# KiCad board ev18.kicad_pcb (continued)
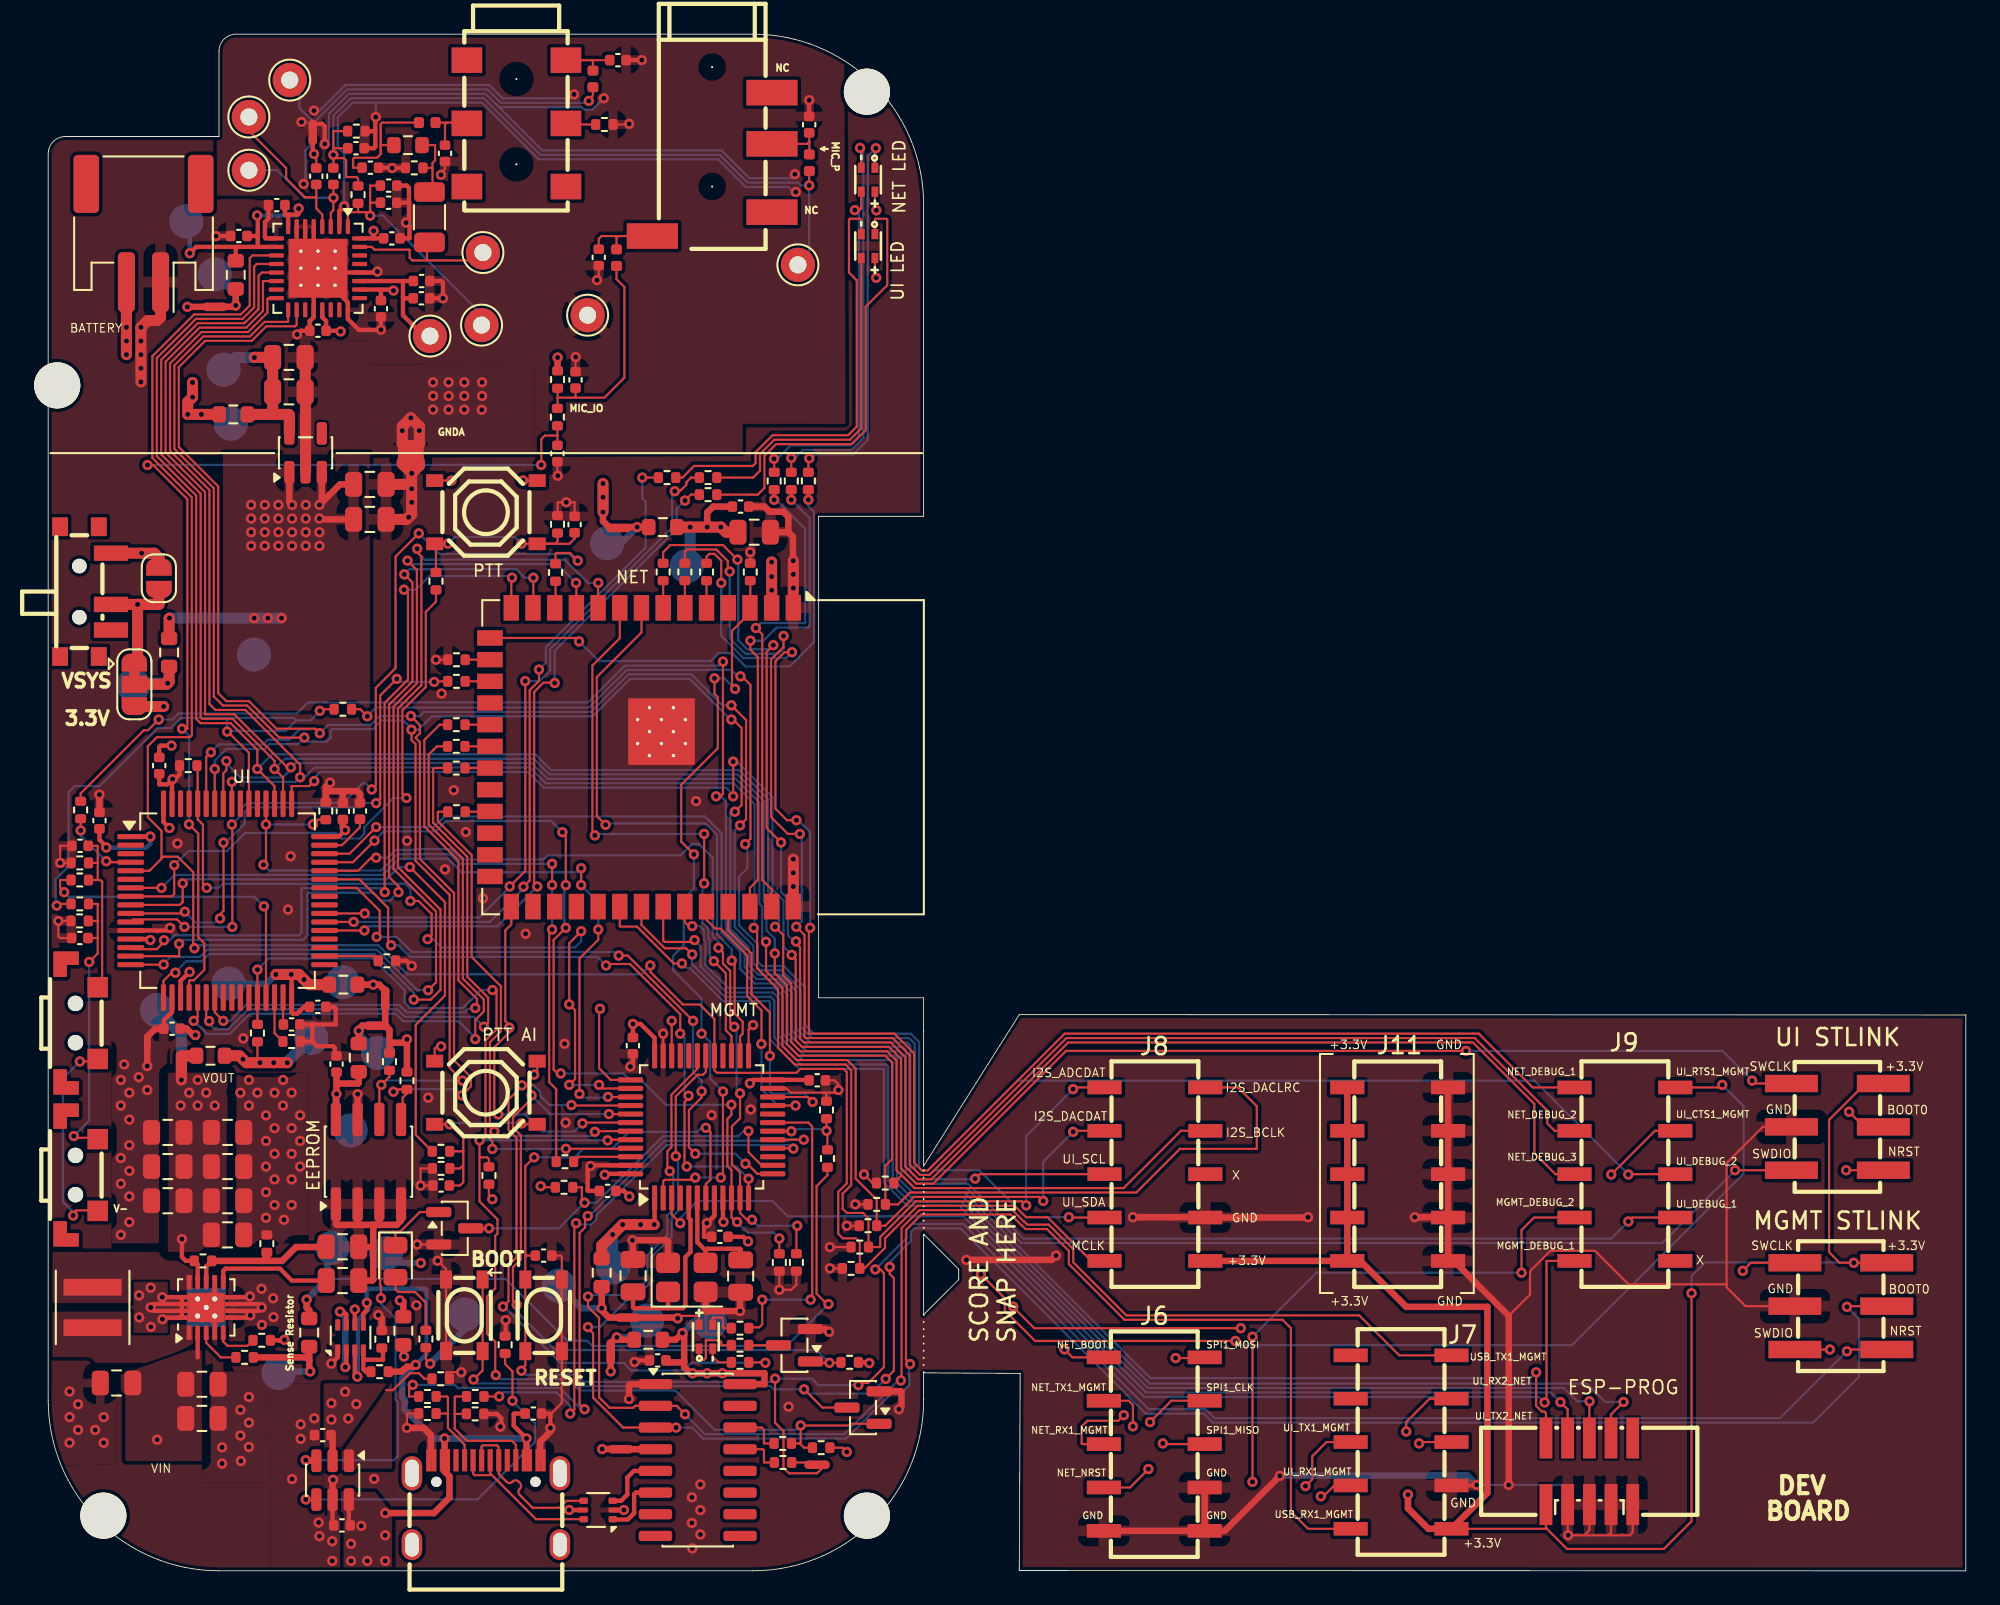
[diagram p0: board, top side]
## Routing (per net, layer and track width the routed paths; a pad name or vN(x,y) marks a point on that pad's centre or on a via; arc(x,y) is an arc through that point) (continued)
Net-(U3-PB9): length 3.5
  Top w0.127: 34.03,24.31 U3.46
  Top w0.13: U3.46 31.05,24.25 R5.1
Net-(U4-V3): length 1.5
  Top w0.381: U4.4 NT2.1
Net-(U5-EN): length 2.4
  Top w0.127: R18.2 10.11,12.5 9.25,13.36 U5.3
Net-(U5-FB): length 9
  Top w0.254: R26.1 9.25,17.83 U5.8
  Top w0.381: 12.6,18.15 R26.1 ; 12.6,18.15 12.8,18.35 R27.2 ; 12.6,18.15 13.69,18.15 14.5,18.96 16.26,18.96 C20.1
Net-(U5-PG): length 2.1
  Top w0.127: 11.74,13.25 11.67,13.18 10.5,13.18 10.25,13.43 U5.5
Net-(U5-VAUX): length 7.3
  Top w0.127: U5.6 U5.6
  Top w0.254: C19.1 14.26,17 13.56,17.71 10.39,17.71 10.25,17.57 U5.6
Net-(U7-IO11): length 1.5
  Top w0.13: R46.2 U7.19
Net-(U7-IO12): length 1.5
  Top w0.13: R44.2 U7.20
Net-(U7-IO13): length 1.5
  Top w0.13: R45.2 U7.21
Net-(U7-IO46): length 1.5
  Top w0.127: U7.16 24.42,53.37 R30.1
Net-(U9-PR1): length 3.5
  Top w0.254: 19.6,13.05 19.6,12.36 18.45,12.36 ; 18.45,12.36 U9.4 ; 18.45,12.36 18.45,11.81 18.6,11.66 R53.1
Net-(U10-PB11): length 2.8
  Top w0.127: R42.2 13.25,31.49 U10.30
Net-(U10-PB13): length 3.3
  Top w0.13: R43.2 19.05,36 U10.34
Net-(U10-PC2): length 31.3
  Top w0.127: v1(8,38.6) 7.9,38.5 U10.10 ; v1(20.41,52.24) 19.43,51.27 19.43,45.2 v1(19.2,44.96) ; R49.2 22.64,52.1 v1(22.6,52.06) ; v1(10.26,42.65) 10.26,38.66 10.06,38.45 v1(10.06,38.21)
  Bottom w0.127: v1(20.41,52.24) 20.59,52.06 v1(22.6,52.06) ; v1(10.06,38.21) 9.82,37.98 8.63,37.98 v1(8,38.6) ; v1(10.26,42.65) 10.44,42.83 10.57,42.83 11.5,43.76 11.5,44.46 11.75,44.71 18.25,44.71 18.5,44.96 v1(19.2,44.96)
Net-(U10-PC3): length 49.9
  Top w0.127: v1(10.76,43.71) 10.78,43.69 v1(10.78,37.72) ; v1(31,59.16) 30.55,59.62 29.75,59.62 29.7,59.56 R50.2 ; v1(21.69,60.76) 20.33,59.4 20.33,52.87 19.18,51.71 19.18,46 v1(18.94,45.76) ; U10.11 4.98,38.15 7.54,38.15 v1(7.98,37.72)
  Bottom w0.127: v1(31,59.16) 30.89,59.16 30.49,59.56 22.9,59.56 21.7,60.76 v1(21.69,60.76) ; v1(18.94,45.76) 18.59,46.11 18.4,46.11 17.26,44.97 11.64,44.97 11.24,44.57 11.24,44.2 v1(10.76,43.71) ; v1(7.98,37.72) v1(10.78,37.72)
Net-(U10-VCAP_1): length 1.6
  Top w0.127: C44.2 13.75,32.02 U10.31
Net-(U10-VCAP_2): length 3
  Top w0.127: U10.47 17.2,42.5 18.25,43.55 C45.2
unconnected-(U10-PB0-Pad26): length 0.7
  Top w0.127: U10.26 11.25,32.92
unconnected-(U10-PC4-Pad24): length 0
  Top w0.13: 10.26,33.57 U10.24

## Copper pours and planes (outline as drawn; the poured copper is in the pictures)
+3.0VA on In2.Cu: 46.57,97.44 46.68,67.17 40.65,67.18 40.65,65.49 8.26,65.35 7.72,65.89 7.74,70.41 9.42,71.95 11.94,71.95 12.83,72.83 14.8,72.83 14.8,74.43 13.94,74.43 13.93,78.17 14.3,78.17 14.3,80.54 9.87,80.54 9.87,97.52
+3.3V on In2.Cu: 14.3,80.54 14.3,78.17 13.93,78.17 13.94,74.43 14.8,74.43 14.8,72.83 12.83,72.83 11.94,71.95 9.42,71.95 7.74,70.41 7.72,65.89 8.26,65.35 40.65,65.49 40.65,67.18 46.68,67.17 46.57,97.44 112.26,97.47 112.42,-3.1 -6.34,-3.1 -6.35,87.57 9.87,87.56 9.87,80.54
+3.3V_CH340C on In2.Cu: 33.88,12.18 42.08,12.13 42.08,0.8 33.88,0.85
+3.3V_Mgmt on In2.Cu: 32.38,32.23 43.63,32.18 43.63,19.28 32.38,19.28
+3.3V_Net on In2.Cu: 44.88,61.58 23.93,61.58 23.93,36.03 44.88,36.03
+3.3V_UI on In2.Cu: 3.68,32.53 21.28,32.46 21.2,49.65 3.69,49.66
/AVIN on Top, Bottom: 10.23,65.47 10.23,50.37 15.63,50.37 18.83,50.27 18.83,65.48 16.63,65.47
GND on Top: 3.7,31.04 3.7,18.68 7.13,18.68 7.13,31.04
GND on Top: 12.75,11.68 12.75,5.18 9,5.18 9,11.68
GND on Top: 10.5,29.18 10.5,19.18 15.25,19.18 15.25,29.18
GND on Top: 8,16.18 8,14.68 7,14.68 7,13.93 5,13.93 5,16.93 7,16.93 7,16.18
GND on Top: 17.1,3.27 17.08,0.03 13.01,0.03 12.98,10.98 16.17,10.98 16.18,3.23 17.04,3.24
GND on Top: 4,12 4,6.25 0.9,6.15 0.2,8.4 0.25,12
GND on Top: 10.5,14.68 10.5,16.18 11.5,16.18 11.5,16.93 13.5,16.93 13.5,13.93 11.5,13.93 11.5,14.68
GND on Top, Bottom: 16.13,5.78 20.13,5.78 20.13,3.73 19.23,4.83 16.13,4.83
GND on Top, Bottom, In1.Cu: 14.3,80.54 14.3,78.17 13.93,78.17 13.94,74.43 14.8,74.43 14.8,72.83 12.83,72.83 11.94,71.95 9.42,71.95 7.74,70.41 7.72,65.89 8.26,65.35 40.65,65.49 40.65,67.18 46.68,67.17 46.57,97.44 112.26,97.47 112.42,-3.1 -6.34,-3.1 -6.35,87.57 9.87,87.56 9.87,80.54
GND on Bottom: 16.13,10.98 12.98,10.98 13.01,0.03 17.08,0.03 17.08,4.83 16.13,4.83
GNDA on Top, Bottom: 14.75,72.07 18.73,72.07 18.73,70.65 28.43,70.62 28.43,65.47 19.03,65.47 14.73,65.53
GNDA on Top, Bottom, In1.Cu: 46.57,97.44 46.68,67.17 40.65,67.18 40.65,65.49 8.26,65.35 7.72,65.89 7.74,70.41 9.42,71.95 11.94,71.95 12.83,72.83 14.8,72.83 14.8,74.43 13.94,74.43 13.93,78.17 14.3,78.17 14.3,80.54 9.87,80.54 9.87,97.52
VBUS on Top, Bottom: 17.08,4.83 19.23,4.83 20.13,3.73 20.13,0.03 17.08,0.03
/BB_Vin_Sense on Top: 4.25,11.5 8.25,12.93 9,12.93 9,6.43 4.25,6.43
/BB_Vout on Top, In2.Cu: 10.5,29.18 7,29.18 7,18.68 10.5,18.68
/BQ_OUT on Top: 16.13,7.23 16.13,10.98 19.83,10.98 17.18,7.23
/BQ_OUT on Bottom: 16.13,7.23 16.13,10.98 20.13,10.98 20.13,7.23
Net-(U1-TS) on Top: 17.18,5.78 20.13,5.78 20.13,10.98 19.83,10.98 17.18,7.23
Net-(U5-L1) on Top: 8.5,14.43 8.5,13.3 6.25,12.18 0.25,12.18 0.25,15.18 5,15.18 5,13.93 7,13.93 7,14.43
Net-(U5-L2) on Top: 8.5,16.43 8.5,17.68 6.5,18.68 0.25,18.68 0.25,15.68 5,15.68 5,16.93 7,16.93 7,16.43

## Text on the board
B.Silkscreen: LIN2 | LIN1 | MIC_N | AMID | MICBIAS | GNDA | MIC_P | BB VOUT + | AVIN SENSE+ | 3.3V WM8960 SENSE- | 3.0VA SENSE+ | 3.0VA SENSE- | 3.3V SENSE UI- | AVIN SENSE- | BB VOUT - | BB VIN SENSE- | BB VIN SENSE+ | 3.3V_EEPROM- | 3.3V UI SENSE+ | 3.3V EEPROM+ | BQ OUT SENSE- | BQ OUT SENSE+ | 3.3V MGMT SENSE+ | 3.3V NET SENSE+ | 3.3V CH340C SENSE+ | 3.3V NET SENSE- | 3.3V CH340C SENSE- | HP_L | Designed in Canada | Analog / Sense - | 3.3V WM8960 / SENSE+ | 2026/06/08 | EV18 | CISCO
F.Fab: TOP      (F.CU)    HIGH SPEED / SECOND  (IN1.CU)  GND / THIRD    (IN2.CU)  POWER / BOTTOM  (B.CU)    LOW SPEED
F.Silkscreen: NET_TX1_MGMT | NET_RX1_MGMT | NET_BOOT | NET_NRST | GND | SPI1_MOSI | SPI1_CLK | SPI1_MISO | USB_RX1_MGMT | UI_TX1_MGMT | UI_RX1_MGMT | USB_TX1_MGMT | UI_RX2_NET | UI_TX2_NET | MGMT_DEBUG_2 | MGMT_DEBUG_1 | NET_DEBUG_1 | NET_DEBUG_2 | NET_DEBUG_3 | UI_RTS1_MGMT | UI_CTS1_MGMT | UI_DEBUG_2 | UI_DEBUG_1 | GNDA | MIC_IO | NC | V- | Sense Resistor | MIC_P | BATTERY | VIN | VOUT | I2S_ADCDAT | I2S_DACDAT | UI_SDA | UI_SCL | MCLK | I2S_DACLRC | I2S_BCLK | +3.3V | X | SWCLK | SWDIO | BOOT0 | NRST | UI | PTT | PTT AI | NET | MGMT | EEPROM | UI LED | NET LED | ESP-PROG | VSYS | 3.3V | BOOT | RESET | UI STLINK | MGMT STLINK | SCORE AND / SNAP HERE | BOARD | DEV
